# KiCad board uf2-batch-flasher.kicad_pcb (continued)
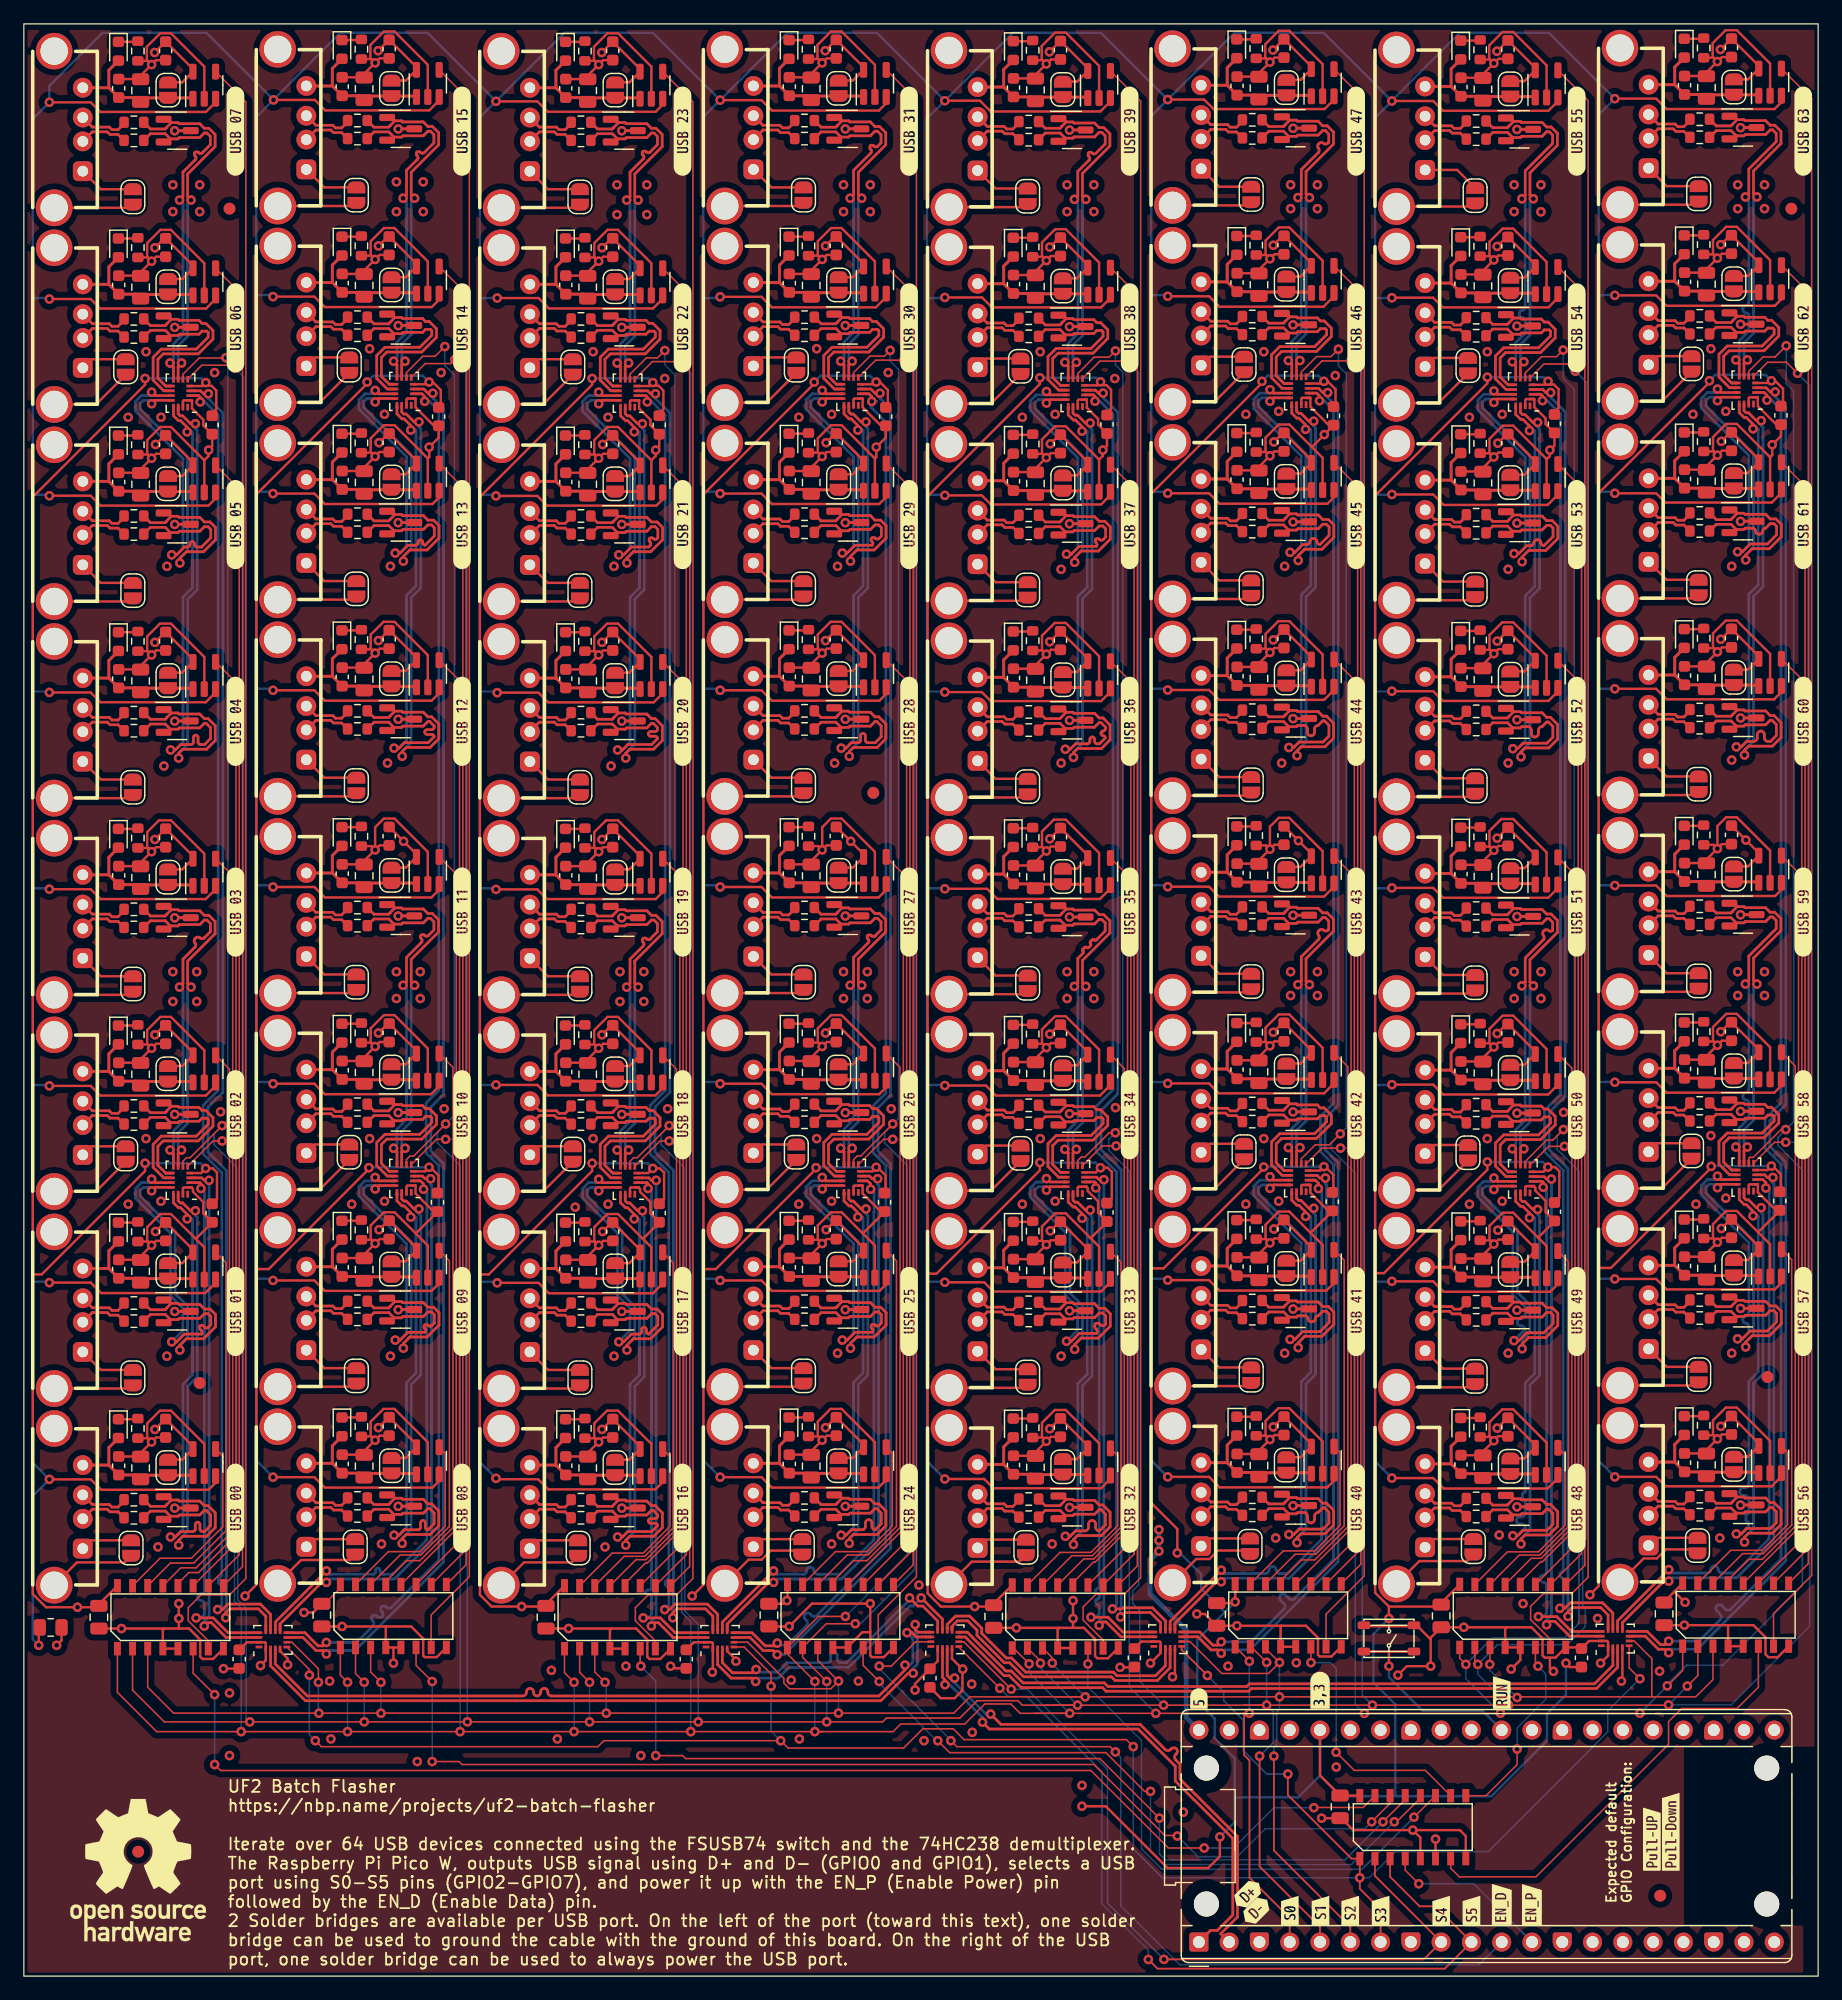
[diagram p0: board, top side]
## Nets (continued)
/16usb-ports3/4usb-port3/usb-port0/Conn_D-: J7201.2 R7204.1
/16usb-ports3/4usb-port3/usb-port1/Conn_D+: J7701.3 R7703.1
/16usb-ports3/4usb-port3/usb-port1/Conn_D-: J7701.2 R7704.1
/16usb-ports3/4usb-port3/usb-port2/Conn_D+: J7601.3 R7603.1
/16usb-ports3/4usb-port3/usb-port2/Conn_D-: J7601.2 R7604.1
/16usb-ports3/4usb-port3/usb-port3/Conn_D+: J8301.3 R8303.1
/16usb-ports3/4usb-port3/usb-port3/Conn_D-: J8301.2 R8304.1
/16usb-ports3/D+: U102.8 U6503.2
/16usb-ports3/D-: U102.7 U6503.3
/16usb-ports3/EN_00: U6501.15 U8401.4
/16usb-ports3/EN_01: U6501.14 U6901.4
/16usb-ports3/EN_02: U6501.13 U7001.4
/16usb-ports3/EN_03: U6501.12 U8001.4
/16usb-ports3/EN_04: U6501.11 U6601.4
/16usb-ports3/EN_05: U6501.10 U6701.4
/16usb-ports3/EN_06: U6501.9 U7901.4
/16usb-ports3/EN_07: U6501.7 U7401.4
/16usb-ports3/EN_10: U6502.15 U7501.4
/16usb-ports3/EN_11: U6502.14 U8201.4
/16usb-ports3/EN_12: U6502.13 U6801.4
/16usb-ports3/EN_13: U6502.12 U7301.4
/16usb-ports3/EN_14: U6502.11 U7201.4
/16usb-ports3/EN_15: U6502.10 U7701.4
/16usb-ports3/EN_16: U6502.9 U7601.4
/16usb-ports3/EN_17: U6502.7 U8301.4
/D+: U102.2 U104.1
/D-: U102.3 U104.2
/EN_0: U103.15 U203.6
/EN_1: U103.14 U202.6
/EN_2: U103.13 U2301.6
/EN_3: U103.12 U2302.6
/EN_4: U103.11 U4401.6
/EN_5: U103.10 U4402.6
/EN_6: U103.9 U6501.6
/EN_7: U103.7 U6502.6
/SEL0: U104.4 U202.1 U203.1 U301.6 U801.6 U1301.6 U1801.6 U2301.1 U2302.1 U2701.6 U3101.6 U3501.6 U4001.6 U4401.1 U4402.1 U4801.6 U5001.6 U5201.6 U5901.6 U6501.1 U6502.1 U7101.6 U7801.6 U8101.6 U8501.6
/SEL1: U104.5 U202.2 U203.2 U301.5 U801.5 U1301.5 U1801.5 U2301.2 U2302.2 U2701.5 U3101.5 U3501.5 U4001.5 U4401.2 U4402.2 U4801.5 U5001.5 U5201.5 U5901.5 U6501.2 U6502.2 U7101.5 U7801.5 U8101.5 U8501.5
/SEL2: U104.6 U201.6 U202.3 U203.3 U2301.3 U2302.3 U2303.6 U4401.3 U4402.3 U4403.6 U6501.3 U6502.3 U6503.6
/SEL3: U103.1 U104.7 U201.5 U2303.5 U4403.5 U6503.5
/SEL4: U102.6 U103.2 U104.9
/SEL5: U102.5 U103.3 U104.10
/~{En_Data}: U102.15 U104.11
/~{En_Power}: U103.4 U104.12
USB_OVER_CURRENT_SHORT: R101.2 U401.3 U501.3 U601.3 U701.3 U901.3 U1001.3 U1101.3 U1201.3 U1401.3 U1501.3 U1601.3 U1701.3 U1901.3 U2001.3 U2101.3 U2201.3 U2401.3 U2501.3 U2601.3 U2801.3 U2901.3 U3001.3 U3201.3 U3301.3 U3401.3 U3601.3 U3701.3 U3801.3 U3901.3 U4101.3 U4201.3 U4301.3 U4501.3 U4601.3 U4701.3 U4901.3 U5101.3 U5301.3 U5401.3 U5501.3 U5601.3 U5701.3 U5801.3 U6001.3 U6101.3 U6201.3 U6301.3 U6401.3 U6601.3 U6701.3 U6801.3 U6901.3 U7001.3 U7201.3 U7301.3 U7401.3 U7501.3 U7601.3 U7701.3 U7901.3 U8001.3 U8201.3 U8301.3 U8401.3
Net-(D401-K): D401.1 R401.1
Net-(D501-K): D501.1 R502.1
Net-(D601-K): D601.1 R602.1
Net-(D701-K): D701.1 R702.1
Net-(D901-K): D901.1 R902.1
Net-(D1001-K): D1001.1 R1002.1
Net-(D1101-K): D1101.1 R1102.1
Net-(D1201-K): D1201.1 R1202.1
Net-(D1401-K): D1401.1 R1402.1
Net-(D1501-K): D1501.1 R1502.1
Net-(D1601-K): D1601.1 R1602.1
Net-(D1701-K): D1701.1 R1702.1
Net-(D1901-K): D1901.1 R1902.1
Net-(D2001-K): D2001.1 R2002.1
Net-(D2101-K): D2101.1 R2102.1
Net-(D2201-K): D2201.1 R2202.1
Net-(D2401-K): D2401.1 R2402.1
Net-(D2501-K): D2501.1 R2502.1
Net-(D2601-K): D2601.1 R2602.1
Net-(D2801-K): D2801.1 R2802.1
Net-(D2901-K): D2901.1 R2902.1
Net-(D3001-K): D3001.1 R3002.1
Net-(D3201-K): D3201.1 R3202.1
Net-(D3301-K): D3301.1 R3302.1
Net-(D3401-K): D3401.1 R3402.1
Net-(D3601-K): D3601.1 R3602.1
Net-(D3701-K): D3701.1 R3702.1
Net-(D3801-K): D3801.1 R3802.1
Net-(D3901-K): D3901.1 R3902.1
Net-(D4101-K): D4101.1 R4102.1
Net-(D4201-K): D4201.1 R4202.1
Net-(D4301-K): D4301.1 R4302.1
Net-(D4501-K): D4501.1 R4502.1
Net-(D4601-K): D4601.1 R4602.1
Net-(D4701-K): D4701.1 R4702.1
Net-(D4901-K): D4901.1 R4902.1
Net-(D5101-K): D5101.1 R5102.1
Net-(D5301-K): D5301.1 R5302.1
Net-(D5401-K): D5401.1 R5402.1
Net-(D5501-K): D5501.1 R5502.1
Net-(D5601-K): D5601.1 R5602.1
Net-(D5701-K): D5701.1 R5702.1
Net-(D5801-K): D5801.1 R5802.1
Net-(D6001-K): D6001.1 R6002.1
Net-(D6101-K): D6101.1 R6102.1
Net-(D6201-K): D6201.1 R6202.1
Net-(D6301-K): D6301.1 R6302.1
Net-(D6401-K): D6401.1 R6402.1
Net-(D6601-K): D6601.1 R6602.1
Net-(D6701-K): D6701.1 R6702.1
Net-(D6801-K): D6801.1 R6802.1
Net-(D6901-K): D6901.1 R6902.1
Net-(D7001-K): D7001.1 R7002.1
Net-(D7201-K): D7201.1 R7202.1
Net-(D7301-K): D7301.1 R7302.1
Net-(D7401-K): D7401.1 R7402.1
Net-(D7501-K): D7501.1 R7502.1
Net-(D7601-K): D7601.1 R7602.1
Net-(D7701-K): D7701.1 R7702.1
Net-(D7901-K): D7901.1 R7902.1
Net-(D8001-K): D8001.1 R8002.1
Net-(D8201-K): D8201.1 R8202.1
Net-(D8301-K): D8301.1 R8302.1
Net-(D8401-K): D8401.1 R8402.1
Net-(J401-Shield): J401.5 JP401.2
Net-(J501-Shield): J501.5 JP501.2
Net-(J601-Shield): J601.5 JP601.2
Net-(J701-Shield): J701.5 JP701.2
Net-(J901-Shield): J901.5 JP901.2
Net-(J1001-Shield): J1001.5 JP1001.2
Net-(J1101-Shield): J1101.5 JP1101.2
Net-(J1201-Shield): J1201.5 JP1201.2
Net-(J1401-Shield): J1401.5 JP1401.2
Net-(J1501-Shield): J1501.5 JP1501.2
Net-(J1601-Shield): J1601.5 JP1601.2
Net-(J1701-Shield): J1701.5 JP1701.2
Net-(J1901-Shield): J1901.5 JP1901.2
Net-(J2001-Shield): J2001.5 JP2001.2
Net-(J2101-Shield): J2101.5 JP2101.2
Net-(J2201-Shield): J2201.5 JP2201.2
Net-(J2401-Shield): J2401.5 JP2401.2
Net-(J2501-Shield): J2501.5 JP2501.2
Net-(J2601-Shield): J2601.5 JP2601.2
Net-(J2801-Shield): J2801.5 JP2801.2
Net-(J2901-Shield): J2901.5 JP2901.2
Net-(J3001-Shield): J3001.5 JP3001.2
Net-(J3201-Shield): J3201.5 JP3201.2
Net-(J3301-Shield): J3301.5 JP3301.2
Net-(J3401-Shield): J3401.5 JP3401.2
Net-(J3601-Shield): J3601.5 JP3601.2
Net-(J3701-Shield): J3701.5 JP3701.2
Net-(J3801-Shield): J3801.5 JP3801.2
Net-(J3901-Shield): J3901.5 JP3901.2
Net-(J4101-Shield): J4101.5 JP4101.2
Net-(J4201-Shield): J4201.5 JP4201.2
Net-(J4301-Shield): J4301.5 JP4301.2
Net-(J4501-Shield): J4501.5 JP4501.2
Net-(J4601-Shield): J4601.5 JP4601.2
Net-(J4701-Shield): J4701.5 JP4701.2
Net-(J4901-Shield): J4901.5 JP4901.2
Net-(J5101-Shield): J5101.5 JP5101.2
Net-(J5301-Shield): J5301.5 JP5301.2
Net-(J5401-Shield): J5401.5 JP5401.2
Net-(J5501-Shield): J5501.5 JP5501.2
Net-(J5601-Shield): J5601.5 JP5601.2
Net-(J5701-Shield): J5701.5 JP5701.2
Net-(J5801-Shield): J5801.5 JP5801.2
Net-(J6001-Shield): J6001.5 JP6001.2
Net-(J6101-Shield): J6101.5 JP6101.2
Net-(J6201-Shield): J6201.5 JP6201.2
Net-(J6301-Shield): J6301.5 JP6301.2
Net-(J6401-Shield): J6401.5 JP6401.2
Net-(J6601-Shield): J6601.5 JP6601.2
Net-(J6701-Shield): J6701.5 JP6701.2
Net-(J6801-Shield): J6801.5 JP6801.2
Net-(J6901-Shield): J6901.5 JP6901.2
Net-(J7001-Shield): J7001.5 JP7001.2
Net-(J7201-Shield): J7201.5 JP7201.2
Net-(J7301-Shield): J7301.5 JP7301.2
Net-(J7401-Shield): J7401.5 JP7401.2
Net-(J7501-Shield): J7501.5 JP7501.2
Net-(J7601-Shield): J7601.5 JP7601.2
Net-(J7701-Shield): J7701.5 JP7701.2
Net-(J7901-Shield): J7901.5 JP7901.2
Net-(J8001-Shield): J8001.5 JP8001.2
Net-(J8201-Shield): J8201.5 JP8201.2
Net-(J8301-Shield): J8301.5 JP8301.2
Net-(J8401-Shield): J8401.5 JP8401.2
Net-(SW101-A): SW101.3 SW101.4 U104.30

Pads without a net: J401 6; J501 6; J601 6; J701 6; J901 6; J1001 6; J1101 6; J1201 6; J1401 6; J1501 6; J1601 6; J1701 6; J1901 6; J2001 6; J2101 6; J2201 6; J2401 6; J2501 6; J2601 6; J2801 6; J2901 6; J3001 6; J3201 6; J3301 6; J3401 6; J3601 6; J3701 6; J3801 6; J3901 6; J4101 6; J4201 6; J4301 6; J4501 6; J4601 6; J4701 6; J4901 6; J5101 6; J5301 6; J5401 6; J5501 6; J5601 6; J5701 6; J5801 6; J6001 6; J6101 6; J6201 6; J6301 6; J6401 6; J6601 6; J6701 6; J6801 6; J6901 6; J7001 6; J7201 6; J7301 6; J7401 6; J7501 6; J7601 6; J7701 6; J7901 6; J8001 6; J8201 6; J8301 6; J8401 6; U102 16; U104 14 15 16 17 19 20 21 22 24 25 26 27 29 31 32 34 35 37 39; U201 16; U301 16; U801 16; U1301 16; U1801 16; U2303 16; U2701 16; U3101 16; U3501 16; U4001 16; U4403 16; U4801 16; U5001 16; U5201 16; U5901 16; U6503 16; U7101 16; U7801 16; U8101 16; U8501 16

## Via types
v1: diameter 0.8, hole 0.4, Top to Bottom, 925 vias

## Routing (per net, layer and track width the routed paths; a pad name or vN(x,y) marks a point on that pad's centre or on a via; arc(x,y) is an arc through that point)
+3V3: length 1292.1
  Top w0.125: 25.23,31.23 26.55,32.55
  Top w0.2: 132.09,59.4 133.11,59.4 141.53,67.81 v1(141.53,67.92) ; 132.09,59.4 132.09,124.39 141.38,133.68 v1(141.38,133.81) ; 132.09,59.4 132.09,32.72 v1(131.36,31.99) ; v1(91.95,25.9) 93.12,25.9 93.15,25.93 ; 57,59.29 57.02,59.31 58.04,59.31 66.44,67.71 v1(66.44,67.81) ; 57,59.29 57,32.83 v1(56.05,31.88) ; 57,59.29 57,124.28 66.29,133.57 v1(66.29,133.71) ; 113.34,59.1 113.34,124.17 122.75,133.59 v1(122.75,134.11) ; 113.34,59.1 113.34,32.16 114.5,31 ; 113.34,59.1 113.47,58.97 114.08,58.97 122.75,67.64 v1(122.75,68.29) ; 38.25,58.89 38.25,124.07 47.67,133.48 v1(47.67,134.01) ; 38.25,58.89 38.29,58.86 38.99,58.86 47.67,67.53 v1(47.67,68.19) ; 38.25,58.89 38.25,31.98 39.23,31 v1(41.75,31) 43.74,31 C2301.1 43.79,31.19 U2301.16 ; 110.45,15.2 C101.1 108.72,16.83 U104.36 ; U203.16 6.29,31.19 C201.1 6.18,30.94 v1(4.5,30.94) 1.86,30.94 0.75,32.05 0.75,58.89 ; 94.56,59.3 94.56,39.69 96.75,37.5 v1(96.75,35.5) ; 94.56,59.3 94.62,59.36 95.6,59.36 104,67.76 v1(104,67.87) ; 94.56,59.3 94.56,124.34 103.85,133.63 v1(103.85,133.76) ; C5201.1 109.84,65.83 109.84,67.22 109.15,67.9 v1(109.05,67.9) 108.71,67.56 U5201.4 ; C801.1 15.79,131.08 16.14,131.43 16.14,133 15.75,133.39 15.53,133.39 v1(15.26,133.66) 14.97,133.37 U801.4 ; C2302.1 63.73,31.23 64.05,31.55 ; U8501.4 127.44,67.46 v1(127.84,67.86) 128.44,67.86 128.79,67.51 128.79,65.3 C8501.1 ; U2701.4 71.31,133.52 v1(71.49,133.71) 71.8,133.71 72.47,133.04 72.47,131.76 C2701.1 ; v1(85.22,134.06) 85.22,133.54 75.81,124.12 75.81,59 ; 64.05,31.55 U2302.16 ; 64.05,31.55 v1(64,31.5) ; U6503.4 134.08,24.83 v1(134,24.75) ; U103.16 110.51,15.14 110.4,15.25 ; v1(129.35,26.25) 129.67,25.93 130.65,25.93 ; 75.81,59 75.89,58.92 76.55,58.92 85.22,67.59 v1(85.22,68.24) ; 75.81,59 75.81,32.11 76.91,31 v1(79.75,31) 81.23,31 C4401.1 81.35,31.25 U4401.16 ; C5001.1 110.02,131.81 110.02,133.1 109.36,133.76 v1(109.05,133.76) 108.86,133.58 U5001.4 ; v1(22.12,26.12) 22.12,26.64 21.49,27.27 U201.4 ; U6501.16 118.88,31.3 C6501.1 118.72,31 114.5,31 ; v1(114.5,30) 114.5,30 114.5,31 ; C1801.1 34.97,131.76 34.97,133.04 34.3,133.71 v1(33.99,133.71) 33.81,133.52 U1801.4 ; v1(139.34,31.36) 139.32,31.36 138.43,32.25 ; v1(28.94,67.81) 28.94,67.71 20.54,59.31 19.52,59.31 19.5,59.29 ; 78.73,25.75 v1(78.75,25.75) ; 78.73,25.75 77.85,26.63 U102.4 ; 78.73,25.75 78.73,23.98 78.06,23.31 76.91,23.31 C102.1 ; C7801.1 147.55,131.86 147.55,133.15 146.89,133.81 v1(146.58,133.81) 146.39,133.63 U7801.4 ; U4402.16 v1(101.6,31.4) 101.49,31.29 C4402.1 ; v1(10.17,68.19) 10.17,67.53 1.49,58.86 0.79,58.86 0.75,58.89 ; 138.43,32.25 137.58,31.4 C6502.1 ; 138.43,32.25 U6502.16 ; U3101.4 52.36,67.36 v1(52.75,67.75) 53.35,67.75 53.7,67.4 53.7,65.19 C3101.1 ; U3501.4 71.16,67.51 v1(71.49,67.84) 71.6,67.84 72.28,67.16 72.28,65.77 C3501.1 ; C1301.1 34.78,65.77 34.78,67.16 34.1,67.84 v1(33.99,67.84) 33.66,67.51 U1301.4 ; U4403.4 96.55,25.31 v1(96.35,25.11) ; U7101.4 127.55,133.48 v1(127.84,133.77) 128.12,133.49 128.34,133.49 128.73,133.1 128.73,131.54 128.38,131.19 C7101.1 ; U8101.4 146.24,67.61 v1(146.58,67.95) 146.69,67.95 147.37,67.27 147.37,65.88 C8101.1 ; U5901.4 90.02,133.43 v1(90.31,133.72) 90.59,133.44 90.81,133.44 91.19,133.05 91.19,131.49 90.85,131.14 C5901.1 ; C4801.1 91.26,65.25 91.26,67.46 90.91,67.81 v1(90.31,67.81) 89.91,67.41 U4801.4 ; 19.5,59.29 19.5,124.28 28.79,133.57 v1(28.79,133.71) ; 19.5,59.29 19.5,32.83 v1(18.55,31.88) ; 0.75,58.89 0.75,124.07 10.17,133.48 v1(10.17,134.01) ; C203.1 18.04,25.79 v1(16.74,25.79) ; C4001.1 53.29,131.08 53.64,131.43 53.64,133 53.25,133.39 53.03,133.39 v1(52.76,133.66) 52.47,133.37 U4001.4 ; U2303.4 58.99,27.27 59.72,26.54 v1(59.72,26.41) ; C2303.1 54.42,25.82 v1(54.24,25.99) ; C202.1 24.26,30.5 v1(23.5,30.5) ; v1(100.32,11.68) 100.32,10.05 99.34,9.07 95.93,9.07 90.75,14.25 v1(88.75,14.25) ; v1(118.41,11.5) U103.6 ; C301.1 16.2,65.19 16.2,67.4 15.85,67.75 v1(15.25,67.75) 14.86,67.36 U301.4
  Bottom w0.2: v1(71.49,133.71) 70.97,134.23 66.82,134.23 v1(66.29,133.71) ; 101.56,14.99 101.56,12.92 v1(100.32,11.68) ; 101.56,14.99 106.88,14.99 108.72,16.83 108.72,16.83 ; 101.56,14.99 101.56,18.28 99.87,19.97 99.87,21.61 98.42,23.06 98.42,28.21 v1(101.6,31.4) 100.73,30.52 98.75,32.5 98.75,33.72 96.97,35.5 v1(96.75,35.5) ; v1(52.75,67.75) 52.31,68.19 v1(47.67,68.19) ; v1(85.22,68.24) 89.87,68.24 v1(90.31,67.81) ; v1(141.53,67.92) 141.56,67.95 v1(146.58,67.95) ; 108.72,16.83 110.45,15.1 114.95,15.1 ; 108.72,16.83 U104.36 ; v1(104,67.87) 104.03,67.9 v1(109.05,67.9) ; 114.95,15.1 115.04,15.19 115.04,22.8 113.2,24.64 113.2,28.7 v1(114.5,30) ; 114.95,15.1 123.1,15.1 127.75,19.75 127.75,22.01 129.35,23.61 v1(129.35,26.25) ; v1(52.76,133.66) 52.74,133.66 52.39,134.01 v1(47.67,134.01) ; v1(10.17,134.01) 14.89,134.01 15.24,133.66 v1(15.26,133.66) ; v1(122.75,134.11) 127.48,134.11 127.83,133.77 v1(127.84,133.77) ; v1(28.79,133.71) 29.32,134.23 33.47,134.23 v1(33.99,133.71) ; v1(28.94,67.81) 28.97,67.84 v1(33.99,67.84) ; v1(71.49,67.84) 66.47,67.84 v1(66.44,67.81) ; v1(127.84,67.86) 127.4,68.29 v1(122.75,68.29) ; 91.85,26 v1(91.95,25.9) ; v1(10.17,68.19) 14.81,68.19 v1(15.25,67.75) ; v1(141.38,133.81) 141.88,134.31 146.08,134.31 v1(146.58,133.81) ; v1(85.22,134.06) 89.95,134.06 90.29,133.72 v1(90.31,133.72) ; v1(109.05,133.76) 108.57,134.24 104.32,134.24 v1(103.85,133.76)
+5V: length 473.4
  Top w0.2: v1(10.99,111.87) 11.86,112.74 C1001.1 14.18,110.45 U1001.5 13.29,109.33 JP1002.2 ; 49.29,145.77 v1(48.49,144.97) ; C5301.1 107.99,94.16 U5301.5 107.09,93.03 JP5302.2 ; v1(86.02,161.4) 86.94,162.31 C6401.1 89.24,160.02 U6401.5 88.34,158.9 JP6402.2 ; JP7002.2 125.87,76.44 U7001.5 126.77,77.57 C7001.1 124.37,79.86 v1(123.58,79.06) ; JP5702.2 107.09,109.53 U5701.5 107.99,110.66 C5701.1 105.67,112.95 v1(104.8,112.08) ; C3001.1 51.68,143.48 U3001.5 50.79,142.35 JP3002.2 ; JP3202.2 69.54,76.49 U3201.5 70.43,77.61 C3201.1 68.04,79.9 v1(67.24,79.11) ; JP1502.2 32.04,92.98 U1501.5 32.93,94.1 C1501.1 ; JP7902.2 125.87,142.46 U7901.5 126.77,143.58 C7901.1 124.37,145.87 v1(123.58,145.08) ; JP1202.2 13.29,158.84 U1201.5 14.18,159.97 C1201.1 11.88,162.26 v1(10.97,161.35) ; JP7602.2 144.62,142.61 U7601.5 145.52,143.73 C7601.1 143.12,146.02 v1(142.33,145.23) ; v1(48.49,45.86) 49.36,46.73 C3601.1 51.68,44.44 U3601.5 50.79,43.31 JP3602.2 ; v1(86.1,62.51) 86.86,63.28 C6301.1 89.24,60.99 U6301.5 88.34,59.86 JP6302.2 ; v1(123.58,95.45) 124.48,96.35 C8001.1 126.77,94.06 U8001.5 125.87,92.93 JP8002.2 ; v1(67.29,128.62) 68.06,129.39 C2601.1 70.43,127.1 U2601.5 69.54,125.97 JP2602.2 ; JP4202.2 69.54,158.99 U4201.5 70.43,160.12 C4201.1 68.13,162.41 v1(67.22,161.5) ; v1(10.99,45.86) 11.86,46.73 C401.1 14.18,44.44 U401.5 13.29,43.31 JP402.2 ; v1(104.8,46.06) 105.67,46.94 C5401.1 107.99,44.65 U5401.5 107.09,43.52 JP5402.2 ; v1(29.74,112.02) 30.61,112.89 C2201.1 32.93,110.6 U2201.5 32.04,109.48 JP2202.2 ; JP5502.2 88.34,125.88 U5501.5 89.24,127 C5501.1 86.86,129.29 v1(86.1,128.53) ; JP7202.2 144.62,109.58 U7201.5 145.52,110.71 C7201.1 143.2,113 v1(142.33,112.13) ; v1(48.54,128.47) 49.31,129.24 C3801.1 51.68,126.95 U3801.5 50.79,125.82 JP3802.2 ; JP1602.2 32.04,43.46 U1601.5 32.93,44.59 C1601.1 30.61,46.88 v1(29.74,46.01) ; JP6702.2 125.87,125.93 U6701.5 126.77,127.05 C6701.1 ; v1(67.29,62.61) 68.06,63.37 C3301.1 70.43,61.08 U3301.5 69.54,59.96 JP3302.2 ; JP7402.2 125.87,158.95 U7401.5 126.77,160.07 C7401.1 124.47,162.36 v1(123.56,161.45) ; v1(142.38,128.73) 143.15,129.49 C7701.1 145.52,127.2 U7701.5 144.62,126.08 JP7702.2 ; v1(142.38,62.71) 143.15,63.48 ; 105.59,145.97 v1(104.8,145.18) ; JP1102.2 13.29,142.35 U1101.5 14.18,143.48 C1101.1 11.79,145.77 v1(10.99,144.97) ; JP4602.2 107.09,60.01 U4601.5 107.99,61.14 C4601.1 105.61,63.43 v1(104.85,62.66) ; v1(48.54,62.46) 49.31,63.22 C3401.1 51.68,60.93 U3401.5 50.79,59.81 JP3402.2 ; v1(29.79,128.62) 30.56,129.39 C2101.1 32.93,127.1 U2101.5 32.04,125.97 JP2102.2 ; v1(48.49,95.34) 49.39,96.24 C4101.1 51.68,93.95 U4101.5 50.79,92.83 JP4102.2 ; JP4502.2 107.09,76.54 U4501.5 107.99,77.67 C4501.1 105.59,79.96 v1(104.8,79.16) ; v1(86.05,111.93) 86.92,112.8 C5101.1 89.24,110.51 U5101.5 88.34,109.38 JP5102.2 ; R101.1 3.16,28.16 v1(2.75,27.75) ; JP8302.2 144.62,159.1 U8301.5 145.52,160.22 C8301.1 143.22,162.51 v1(142.3,161.6) ; JP5802.2 107.09,142.56 U5801.5 107.99,143.68 C5801.1 ; v1(86.05,45.91) 86.92,46.79 ; JP2402.2 50.79,109.33 U2401.5 51.68,110.45 C2401.1 49.36,112.74 v1(48.49,111.87) ; JP602.2 13.29,76.34 U601.5 14.18,77.46 C601.1 11.79,79.75 v1(10.99,78.96) ; v1(10.99,95.34) 11.89,96.24 C701.1 14.18,93.95 U701.5 13.29,92.83 JP702.2 ; JP6602.2 125.87,109.44 U6601.5 126.77,110.56 C6601.1 ; v1(67.24,112.02) 68.11,112.89 C4301.1 70.43,110.6 U4301.5 69.54,109.48 JP4302.2 ; 30.54,145.92 v1(29.74,145.12) ; C8201.1 145.52,61.19 U8201.5 144.62,60.06 JP8202.2 ; v1(104.85,128.68) 105.61,129.44 C4701.1 107.99,127.15 U4701.5 107.09,126.03 JP4702.2 ; v1(11.04,62.46) 11.81,63.22 C501.1 14.18,60.93 U501.5 13.29,59.81 JP502.2 ; v1(29.79,62.61) 30.56,63.37 C1701.1 32.93,61.08 U1701.5 32.04,59.96 JP1702.2 ; JP6202.2 107.09,159.05 U6201.5 107.99,160.17 C6201.1 105.68,162.46 v1(104.77,161.55) ; JP7302.2 144.62,93.08 U7301.5 145.52,94.21 C7301.1 ; v1(48.47,161.35) 49.38,162.26 C3701.1 51.68,159.97 U3701.5 50.79,158.84 JP3702.2 ; JP3902.2 50.79,76.34 U3901.5 51.68,77.46 C3901.1 49.29,79.75 v1(48.49,78.96) ; v1(142.33,79.21) 143.12,80.01 C6801.1 145.52,77.72 U6801.5 144.62,76.59 JP6802.2 ; JP6102.2 88.34,92.88 U6101.5 89.24,94.01 C6101.1 86.95,96.3 v1(86.05,95.4) ; v1(67.24,46.01) 68.11,46.88 C2901.1 70.43,44.59 U2901.5 69.54,43.46 JP2902.2 ; v1(123.58,45.96) 124.45,46.84 C8401.1 126.77,44.55 U8401.5 125.87,43.42 JP8402.2 ; C2001.1 32.93,143.63 U2001.5 32.04,142.5 JP2002.2 ; v1(86.05,79.01) 86.84,79.81 C6001.1 89.24,77.52 U6001.5 88.34,76.39 JP6002.2 ; C2801.1 70.43,94.1 U2801.5 69.54,92.98 JP2802.2 ; JP1902.2 32.04,158.99 U1901.5 32.93,160.12 C1901.1 30.63,162.41 v1(29.72,161.5) ; v1(11.04,128.47) 11.81,129.24 C901.1 14.18,126.95 U901.5 13.29,125.82 JP902.2 ; v1(123.58,111.98) 124.45,112.85 ; C4901.1 89.24,44.5 U4901.5 88.34,43.37 JP4902.2 ; v1(29.74,79.11) 30.54,79.9 C1401.1 32.93,77.61 U1401.5 32.04,76.49 JP1402.2 ; v1(86.05,145.03) 86.84,145.82 C5601.1 89.24,143.53 U5601.5 88.34,142.41 JP5602.2 ; v1(67.24,145.12) 68.04,145.92 C2501.1 70.43,143.63 U2501.5 69.54,142.5 JP2502.2 ; v1(123.63,128.58) 124.4,129.34 ; v1(123.63,62.56) 124.4,63.33 C6901.1 126.77,61.04 U6901.5 125.87,59.91 JP6902.2 ; v1(142.33,46.11) 143.2,46.99 C7501.1 145.52,44.7 U7501.5 144.62,43.57 JP7502.2
  Bottom w0.4: v1(95.21,37.45) v1(95.21,36.55) v1(95.21,35.65) 94.46,34.9 94.46,32.06 97.5,29.02 97.5,21.7 U104.40
  vias: v1(31.85,95.19) v1(69.35,95.19) v1(106.91,95.24) v1(144.44,95.29)
/16usb-ports0/4usb-port0/usb-port0/VBUS: length 12.5
  Top w0.25: D401.2 7.13,44.33 7.13,42.86 ; 7.13,42.86 C405.1 9.43,42.04 C402.1 10.13,42.01 14.11,42.01 U401.1 ; 7.13,42.86 J401.1
/16usb-ports0/4usb-port0/usb-port1/VBUS: length 12.5
  Top w0.25: U501.1 14.11,58.51 10.13,58.51 C502.1 9.43,58.53 C505.1 7.13,59.36 ; 7.13,59.36 7.13,60.83 D501.2 ; 7.13,59.36 J501.1
/16usb-ports0/4usb-port0/usb-port2/VBUS: length 12.5
  Top w0.25: 7.13,75.89 7.13,77.35 D601.2 ; 7.13,75.89 J601.1 ; 7.13,75.89 C605.1 9.43,75.06 C602.1 10.13,75.04 14.11,75.04 U601.1
/16usb-ports0/4usb-port0/usb-port3/VBUS: length 12.5
  Top w0.25: D701.2 7.13,93.85 7.13,92.38 ; 7.13,92.38 J701.1 ; 7.13,92.38 C705.1 9.43,91.55 C702.1 10.13,91.53 14.11,91.53 U701.1
/16usb-ports0/4usb-port1/usb-port0/VBUS: length 12.5
  Top w0.25: 7.13,108.88 C1005.1 9.43,108.05 C1002.1 10.13,108.03 14.11,108.03 U1001.1 ; 7.13,108.88 7.13,110.35 D1001.2 ; 7.13,108.88 J1001.1
/16usb-ports0/4usb-port1/usb-port1/VBUS: length 12.5
  Top w0.25: 7.13,125.37 J901.1 ; 7.13,125.37 C905.1 9.43,124.55 C902.1 10.13,124.52 14.11,124.52 U901.1 ; 7.13,125.37 7.13,126.84 D901.2
/16usb-ports0/4usb-port1/usb-port2/VBUS: length 12.5
  Top w0.25: 7.13,141.9 C1105.1 9.43,141.08 C1102.1 10.13,141.05 14.11,141.05 U1101.1 ; 7.13,141.9 7.13,143.37 D1101.2 ; 7.13,141.9 J1101.1
/16usb-ports0/4usb-port1/usb-port3/VBUS: length 12.5
  Top w0.25: 7.13,158.39 J1201.1 ; 7.13,158.39 7.13,159.86 D1201.2 ; 7.13,158.39 C1205.1 9.43,157.57 C1202.1 10.13,157.54 14.11,157.54 U1201.1
/16usb-ports0/4usb-port2/usb-port0/VBUS: length 12.5
  Top w0.25: D1601.2 25.88,44.48 25.88,43.01 ; 25.88,43.01 J1601.1 ; 25.88,43.01 C1605.1 28.18,42.19 C1602.1 28.88,42.16 32.86,42.16 U1601.1
/16usb-ports0/4usb-port2/usb-port1/VBUS: length 12.5
  Top w0.25: U1701.1 32.86,58.66 28.88,58.66 C1702.1 28.18,58.68 C1705.1 25.88,59.51 ; 25.88,59.51 J1701.1 ; 25.88,59.51 25.88,60.98 D1701.2
/16usb-ports0/4usb-port2/usb-port2/VBUS: length 12.5
  Top w0.25: 25.88,76.04 J1401.1 ; 25.88,76.04 25.88,77.5 D1401.2 ; 25.88,76.04 C1405.1 28.18,75.21 C1402.1 28.88,75.19 32.86,75.19 U1401.1
/16usb-ports0/4usb-port2/usb-port3/VBUS: length 12.5
  Top w0.25: 25.88,92.53 25.88,94 D1501.2 ; 25.88,92.53 J1501.1 ; 25.88,92.53 C1505.1 28.18,91.7 C1502.1 28.88,91.68 32.86,91.68 U1501.1
/16usb-ports0/4usb-port3/usb-port0/VBUS: length 12.5
  Top w0.25: 25.88,109.03 25.88,110.5 D2201.2 ; 25.88,109.03 J2201.1 ; 25.88,109.03 C2205.1 28.18,108.2 C2202.1 28.88,108.18 32.86,108.18 U2201.1
/16usb-ports0/4usb-port3/usb-port1/VBUS: length 12.5
  Top w0.25: U2101.1 32.86,124.67 28.88,124.67 C2102.1 28.18,124.7 C2105.1 25.88,125.52 ; D2101.2 25.88,126.99 25.88,125.52 ; 25.88,125.52 J2101.1
/16usb-ports0/4usb-port3/usb-port2/VBUS: length 12.5
  Top w0.25: 25.88,142.05 25.88,143.52 D2001.2 ; 25.88,142.05 J2001.1 ; 25.88,142.05 C2005.1 28.18,141.23 C2002.1 28.88,141.2 32.86,141.2 U2001.1
/16usb-ports0/4usb-port3/usb-port3/VBUS: length 12.5
  Top w0.25: 25.88,158.54 J1901.1 ; 25.88,158.54 25.88,160.01 D1901.2 ; 25.88,158.54 C1905.1 28.18,157.72 C1902.1 28.88,157.69 32.86,157.69 U1901.1
/16usb-ports1/4usb-port0/usb-port0/VBUS: length 12.5
  Top w0.25: 44.63,42.86 44.63,44.33 D3601.2 ; 44.63,42.86 J3601.1 ; 44.63,42.86 C3605.1 46.93,42.04 C3602.1 47.63,42.01 51.61,42.01 U3601.1
/16usb-ports1/4usb-port0/usb-port1/VBUS: length 12.5
  Top w0.25: 44.63,59.36 J3401.1 ; 44.63,59.36 C3405.1 46.93,58.53 C3402.1 47.63,58.51 51.61,58.51 U3401.1 ; 44.63,59.36 44.63,60.83 D3401.2
/16usb-ports1/4usb-port0/usb-port2/VBUS: length 12.5
  Top w0.25: 44.63,75.89 C3905.1 46.93,75.06 C3902.1 47.63,75.04 51.61,75.04 U3901.1 ; 44.63,75.89 J3901.1 ; 44.63,75.89 44.63,77.35 D3901.2
/16usb-ports1/4usb-port0/usb-port3/VBUS: length 12.5
  Top w0.25: 44.63,92.38 J4101.1 ; 44.63,92.38 44.63,93.85 D4101.2 ; 44.63,92.38 C4105.1 46.93,91.55 C4102.1 47.63,91.53 51.61,91.53 U4101.1
/16usb-ports1/4usb-port1/usb-port0/VBUS: length 12.5
  Top w0.25: D2401.2 44.63,110.35 44.63,108.88 ; 44.63,108.88 C2405.1 46.93,108.05 C2402.1 47.63,108.03 51.61,108.03 U2401.1 ; 44.63,108.88 J2401.1
/16usb-ports1/4usb-port1/usb-port1/VBUS: length 12.5
  Top w0.25: U3801.1 51.61,124.52 47.63,124.52 C3802.1 46.93,124.55 C3805.1 44.63,125.37 ; 44.63,125.37 44.63,126.84 D3801.2 ; 44.63,125.37 J3801.1
/16usb-ports1/4usb-port1/usb-port2/VBUS: length 12.5
  Top w0.25: U3001.1 51.61,141.05 47.63,141.05 C3002.1 46.93,141.08 C3005.1 44.63,141.9 ; D3001.2 44.63,143.37 44.63,141.9 ; 44.63,141.9 J3001.1
/16usb-ports1/4usb-port1/usb-port3/VBUS: length 12.5
  Top w0.25: 44.63,158.39 J3701.1 ; 44.63,158.39 44.63,159.86 D3701.2 ; 44.63,158.39 C3705.1 46.93,157.57 C3702.1 47.63,157.54 51.61,157.54 U3701.1
/16usb-ports1/4usb-port2/usb-port0/VBUS: length 12.5
  Top w0.25: 63.38,43.01 C2905.1 65.68,42.19 C2902.1 66.38,42.16 70.36,42.16 U2901.1 ; 63.38,43.01 J2901.1 ; 63.38,43.01 63.38,44.48 D2901.2
/16usb-ports1/4usb-port2/usb-port1/VBUS: length 12.5
  Top w0.25: 63.38,59.51 C3305.1 65.68,58.68 C3302.1 66.38,58.66 70.36,58.66 U3301.1 ; 63.38,59.51 63.38,60.98 D3301.2 ; 63.38,59.51 J3301.1
/16usb-ports1/4usb-port2/usb-port2/VBUS: length 12.5
  Top w0.25: 63.38,76.04 C3205.1 65.68,75.21 C3202.1 66.38,75.19 70.36,75.19 U3201.1 ; 63.38,76.04 63.38,77.5 D3201.2 ; 63.38,76.04 J3201.1
/16usb-ports1/4usb-port2/usb-port3/VBUS: length 12.5
  Top w0.25: D2801.2 63.38,94 63.38,92.53 ; 63.38,92.53 J2801.1 ; 63.38,92.53 C2805.1 65.68,91.7 C2802.1 66.38,91.68 70.36,91.68 U2801.1
/16usb-ports1/4usb-port3/usb-port0/VBUS: length 12.5
  Top w0.25: D4301.2 63.38,110.5 63.38,109.03 ; U4301.1 70.36,108.18 66.38,108.18 C4302.1 65.68,108.2 C4305.1 63.38,109.03 ; 63.38,109.03 J4301.1
/16usb-ports1/4usb-port3/usb-port1/VBUS: length 12.5
  Top w0.25: D2601.2 63.38,126.99 63.38,125.52 ; 63.38,125.52 C2605.1 65.68,124.7 C2602.1 66.38,124.67 70.36,124.67 U2601.1 ; 63.38,125.52 J2601.1
/16usb-ports1/4usb-port3/usb-port2/VBUS: length 12.5
  Top w0.25: 63.38,142.05 63.38,143.52 D2501.2 ; 63.38,142.05 C2505.1 65.68,141.23 C2502.1 66.38,141.2 70.36,141.2 U2501.1 ; 63.38,142.05 J2501.1
/16usb-ports1/4usb-port3/usb-port3/VBUS: length 12.5
  Top w0.25: 63.38,158.54 63.38,160.01 D4201.2 ; 63.38,158.54 J4201.1 ; 63.38,158.54 C4205.1 65.68,157.72 C4202.1 66.38,157.69 70.36,157.69 U4201.1
/16usb-ports2/4usb-port0/usb-port0/VBUS: length 12.5
  Top w0.25: 82.18,42.92 J4901.1 ; 82.18,42.92 82.18,44.39 D4901.2 ; 82.18,42.92 C4905.1 84.48,42.1 C4902.1 85.19,42.07 89.16,42.07 U4901.1
/16usb-ports2/4usb-port0/usb-port1/VBUS: length 12.5
  Top w0.25: 82.18,59.41 J6301.1 ; 82.18,59.41 82.18,60.88 D6301.2 ; 82.18,59.41 C6305.1 84.48,58.59 C6302.1 85.19,58.56 89.16,58.56 U6301.1
/16usb-ports2/4usb-port0/usb-port2/VBUS: length 12.5
  Top w0.25: D6001.2 82.18,77.41 82.18,75.94 ; U6001.1 89.16,75.09 85.19,75.09 C6002.1 84.48,75.12 C6005.1 82.18,75.94 ; 82.18,75.94 J6001.1
/16usb-ports2/4usb-port0/usb-port3/VBUS: length 12.5
  Top w0.25: D6101.2 82.18,93.9 82.18,92.43 ; 82.18,92.43 J6101.1 ; 82.18,92.43 C6105.1 84.48,91.61 C6102.1 85.19,91.58 89.16,91.58 U6101.1
/16usb-ports2/4usb-port1/usb-port0/VBUS: length 12.5
  Top w0.25: 82.18,108.93 J5101.1 ; 82.18,108.93 82.18,110.4 D5101.2 ; 82.18,108.93 C5105.1 84.48,108.11 C5102.1 85.19,108.08 89.16,108.08 U5101.1
/16usb-ports2/4usb-port1/usb-port1/VBUS: length 12.5
  Top w0.25: 82.18,125.43 82.18,126.9 D5501.2 ; 82.18,125.43 J5501.1 ; 82.18,125.43 C5505.1 84.48,124.6 C5502.1 85.19,124.58 89.16,124.58 U5501.1
/16usb-ports2/4usb-port1/usb-port2/VBUS: length 12.5
  Top w0.25: U5601.1 89.16,141.11 85.19,141.11 C5602.1 84.48,141.13 C5605.1 82.18,141.96 ; 82.18,141.96 82.18,143.43 D5601.2 ; 82.18,141.96 J5601.1
/16usb-ports2/4usb-port1/usb-port3/VBUS: length 12.5
  Top w0.25: 82.18,158.45 C6405.1 84.48,157.62 C6402.1 85.19,157.6 89.16,157.6 U6401.1 ; 82.18,158.45 82.18,159.92 D6401.2 ; 82.18,158.45 J6401.1
/16usb-ports2/4usb-port2/usb-port0/VBUS: length 12.5
  Top w0.25: 100.93,43.07 100.93,44.54 D5401.2 ; 100.93,43.07 J5401.1 ; 100.93,43.07 C5405.1 103.23,42.25 C5402.1 103.94,42.22 107.91,42.22 U5401.1
/16usb-ports2/4usb-port2/usb-port1/VBUS: length 12.5
  Top w0.25: 100.93,59.56 J4601.1 ; 100.93,59.56 C4605.1 103.23,58.74 C4602.1 103.94,58.71 107.91,58.71 U4601.1 ; 100.93,59.56 100.93,61.03 D4601.2
/16usb-ports2/4usb-port2/usb-port2/VBUS: length 12.5
  Top w0.25: 100.93,76.09 100.93,77.56 D4501.2 ; 100.93,76.09 C4505.1 103.23,75.27 C4502.1 103.94,75.24 107.91,75.24 U4501.1 ; 100.93,76.09 J4501.1
/16usb-ports2/4usb-port2/usb-port3/VBUS: length 12.5
  Top w0.25: 100.93,92.58 100.93,94.05 D5301.2 ; 100.93,92.58 C5305.1 103.23,91.76 C5302.1 103.94,91.73 107.91,91.73 U5301.1 ; 100.93,92.58 J5301.1
/16usb-ports2/4usb-port3/usb-port0/VBUS: length 12.5
  Top w0.25: D5701.2 100.93,110.55 100.93,109.08 ; 100.93,109.08 C5705.1 103.23,108.26 C5702.1 103.94,108.23 107.91,108.23 U5701.1 ; 100.93,109.08 J5701.1
/16usb-ports2/4usb-port3/usb-port1/VBUS: length 12.5
  Top w0.25: 100.93,125.58 C4705.1 103.23,124.75 C4702.1 103.94,124.73 107.91,124.73 U4701.1 ; 100.93,125.58 J4701.1 ; 100.93,125.58 100.93,127.05 D4701.2
/16usb-ports2/4usb-port3/usb-port2/VBUS: length 12.5
  Top w0.25: 100.93,142.11 100.93,143.58 D5801.2 ; 100.93,142.11 J5801.1 ; 100.93,142.11 C5805.1 103.23,141.28 C5802.1 103.94,141.26 107.91,141.26 U5801.1
/16usb-ports2/4usb-port3/usb-port3/VBUS: length 12.5
  Top w0.25: 100.93,158.6 J6201.1 ; 100.93,158.6 100.93,160.07 D6201.2 ; 100.93,158.6 C6205.1 103.23,157.77 C6202.1 103.94,157.75 107.91,157.75 U6201.1
/16usb-ports3/4usb-port0/usb-port0/VBUS: length 12.5
  Top w0.25: 119.72,42.97 J8401.1 ; 119.72,42.97 C8405.1 122.01,42.15 C8402.1 122.72,42.12 126.69,42.12 U8401.1 ; 119.72,42.97 119.72,44.44 D8401.2
/16usb-ports3/4usb-port0/usb-port1/VBUS: length 12.5
  Top w0.25: 119.72,59.46 C6905.1 122.01,58.64 C6902.1 122.72,58.61 126.69,58.61 U6901.1 ; 119.72,59.46 119.72,60.93 D6901.2 ; 119.72,59.46 J6901.1
/16usb-ports3/4usb-port0/usb-port2/VBUS: length 12.5
  Top w0.25: 119.72,75.99 119.72,77.46 D7001.2 ; 119.72,75.99 C7005.1 122.01,75.17 C7002.1 122.72,75.14 126.69,75.14 U7001.1 ; 119.72,75.99 J7001.1
/16usb-ports3/4usb-port0/usb-port3/VBUS: length 12.5
  Top w0.25: 119.72,92.48 C8005.1 122.01,91.66 C8002.1 122.72,91.63 126.69,91.63 U8001.1 ; 119.72,92.48 J8001.1 ; 119.72,92.48 119.72,93.95 D8001.2
/16usb-ports3/4usb-port1/usb-port0/VBUS: length 12.5
  Top w0.25: 119.72,108.98 C6605.1 122.01,108.16 C6602.1 122.72,108.14 126.69,108.14 U6601.1 ; 119.72,108.98 119.72,110.45 D6601.2 ; 119.72,108.98 J6601.1
/16usb-ports3/4usb-port1/usb-port1/VBUS: length 12.5
  Top w0.25: U6701.1 126.69,124.63 122.72,124.63 C6702.1 122.01,124.65 C6705.1 119.72,125.48 ; 119.72,125.48 119.72,126.95 D6701.2 ; 119.72,125.48 J6701.1
/16usb-ports3/4usb-port1/usb-port2/VBUS: length 12.5
  Top w0.25: 119.72,142.01 J7901.1 ; 119.72,142.01 119.72,143.48 D7901.2 ; 119.72,142.01 C7905.1 122.01,141.18 C7902.1 122.72,141.16 126.69,141.16 U7901.1
/16usb-ports3/4usb-port1/usb-port3/VBUS: length 12.5
  Top w0.25: 119.72,158.5 C7405.1 122.01,157.67 C7402.1 122.72,157.65 126.69,157.65 U7401.1 ; 119.72,158.5 119.72,159.97 D7401.2 ; 119.72,158.5 J7401.1
/16usb-ports3/4usb-port2/usb-port0/VBUS: length 12.5
  Top w0.25: U7501.1 145.44,42.27 141.47,42.27 C7502.1 140.76,42.3 C7505.1 138.47,43.12 ; 138.47,43.12 138.47,44.59 D7501.2 ; 138.47,43.12 J7501.1
/16usb-ports3/4usb-port2/usb-port1/VBUS: length 12.5
  Top w0.25: 138.47,59.61 J8201.1 ; 138.47,59.61 C8205.1 140.76,58.79 C8202.1 141.47,58.76 145.44,58.76 U8201.1 ; 138.47,59.61 138.47,61.08 D8201.2
/16usb-ports3/4usb-port2/usb-port2/VBUS: length 12.5
  Top w0.25: 138.47,76.14 J6801.1 ; 138.47,76.14 C6805.1 140.76,75.32 C6802.1 141.47,75.29 145.44,75.29 U6801.1 ; 138.47,76.14 138.47,77.61 D6801.2
/16usb-ports3/4usb-port2/usb-port3/VBUS: length 12.5
  Top w0.25: D7301.2 138.47,94.1 138.47,92.63 ; 138.47,92.63 J7301.1 ; 138.47,92.63 C7305.1 140.76,91.81 C7302.1 141.47,91.78 145.44,91.78 U7301.1
/16usb-ports3/4usb-port3/usb-port0/VBUS: length 12.5
  Top w0.25: U7201.1 145.44,108.28 141.47,108.28 C7202.1 140.76,108.31 C7205.1 138.47,109.13 ; 138.47,109.13 J7201.1 ; 138.47,109.13 138.47,110.6 D7201.2
/16usb-ports3/4usb-port3/usb-port1/VBUS: length 12.5
  Top w0.25: 138.47,125.63 138.47,127.1 D7701.2 ; 138.47,125.63 C7705.1 140.76,124.8 C7702.1 141.47,124.78 145.44,124.78 U7701.1 ; 138.47,125.63 J7701.1
/16usb-ports3/4usb-port3/usb-port2/VBUS: length 12.5